# Allegro board MotorDriver.brd
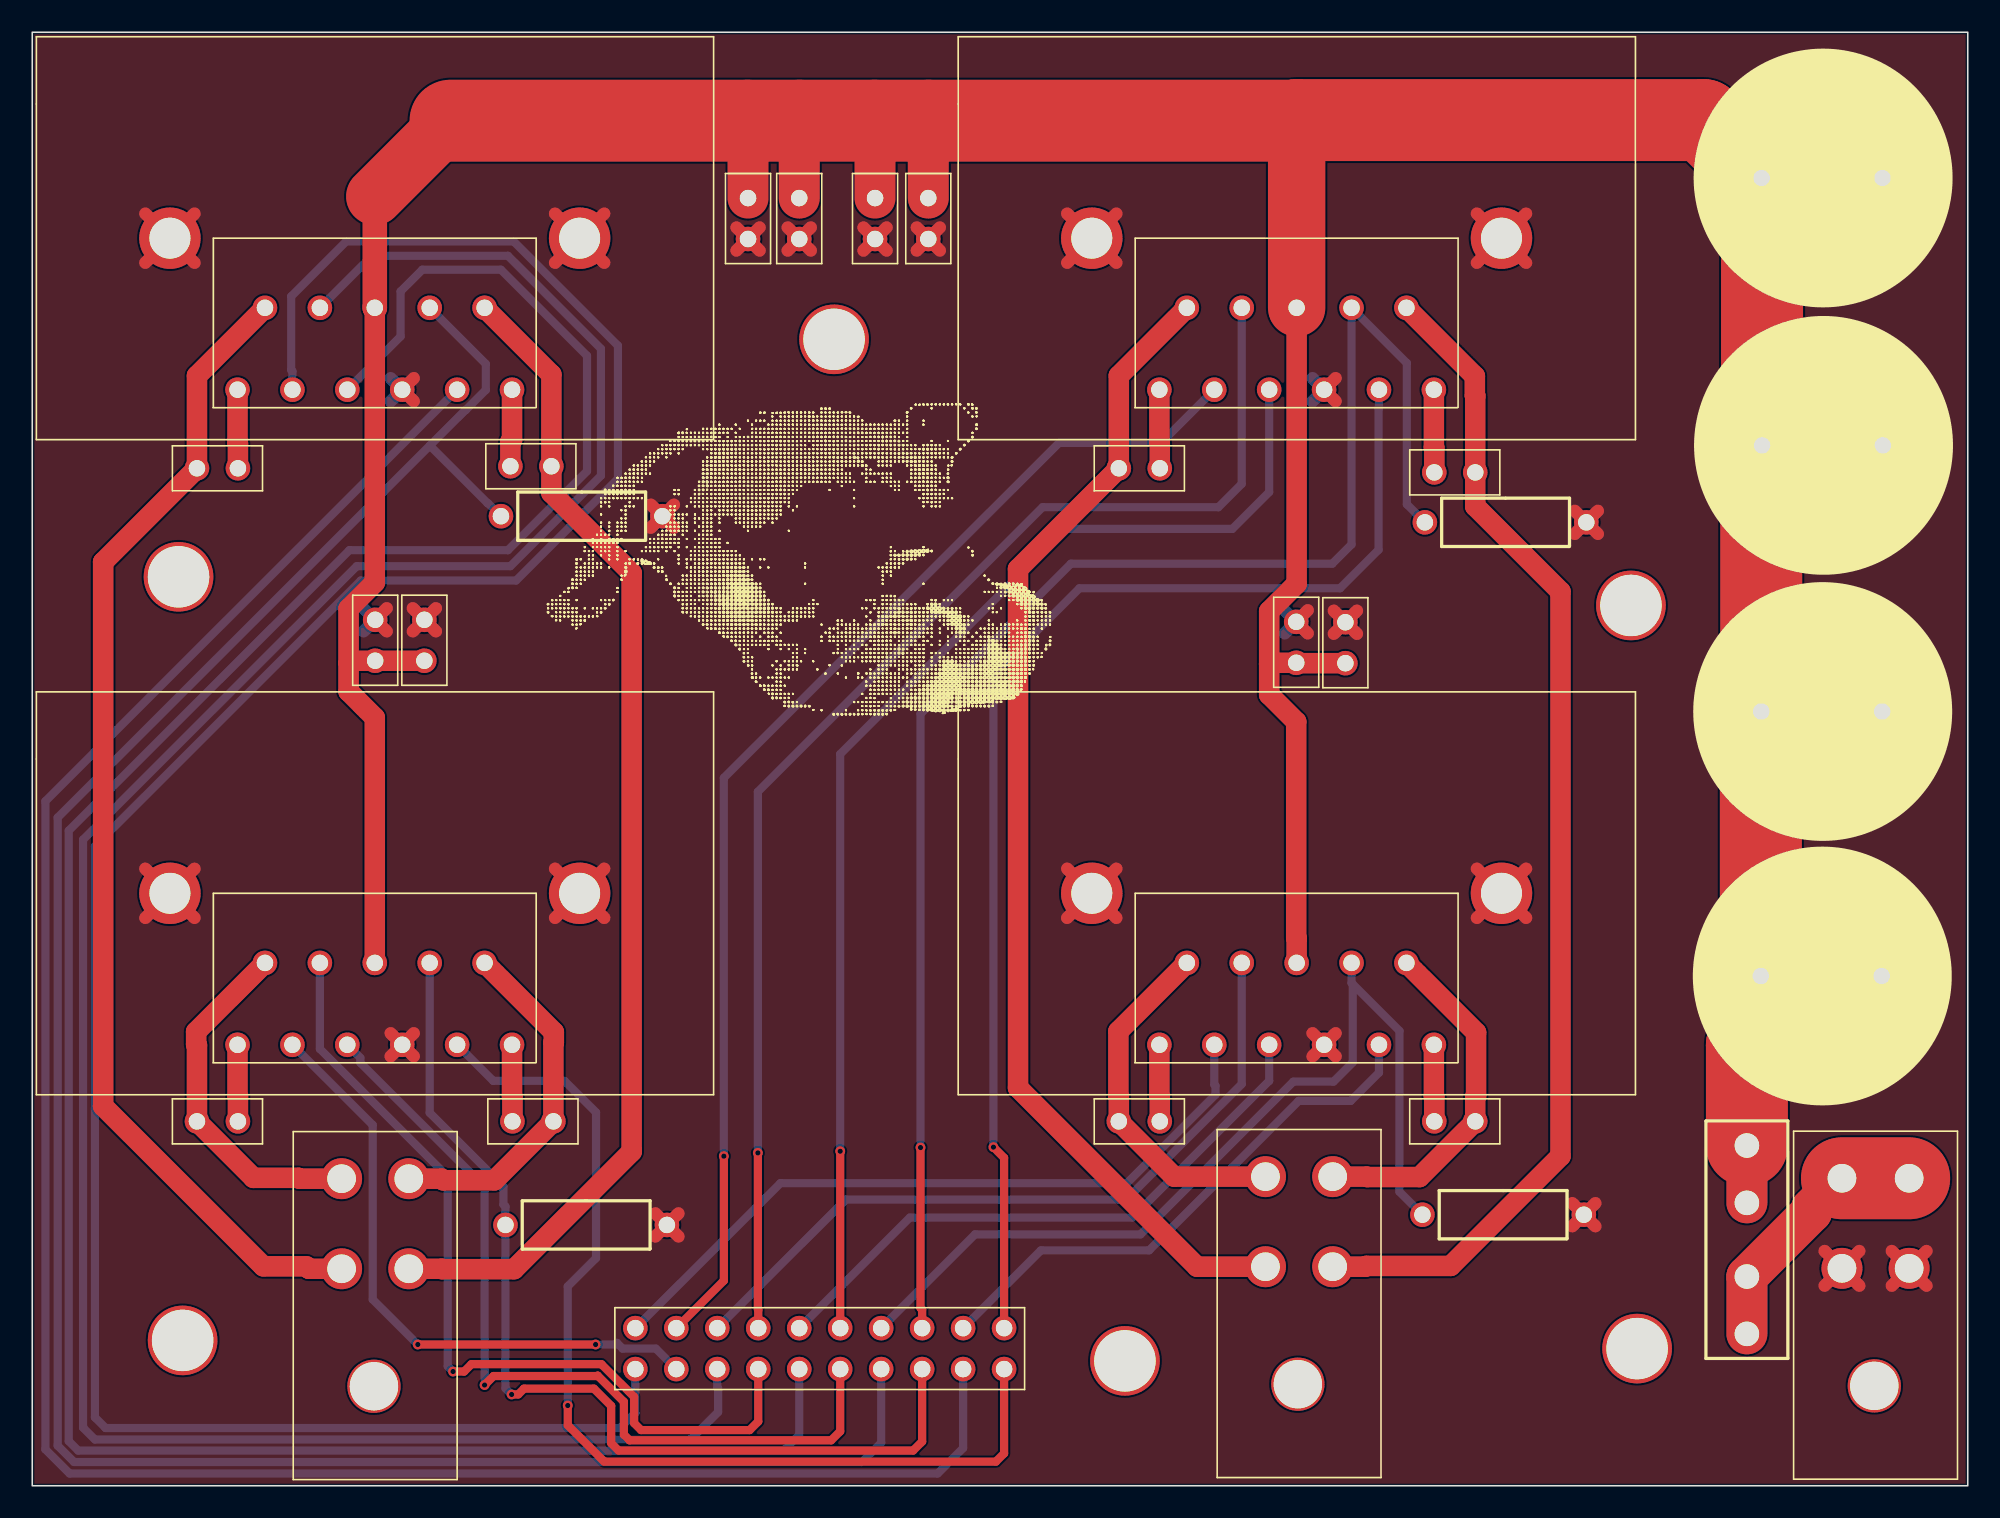
[diagram p0: board, top side]
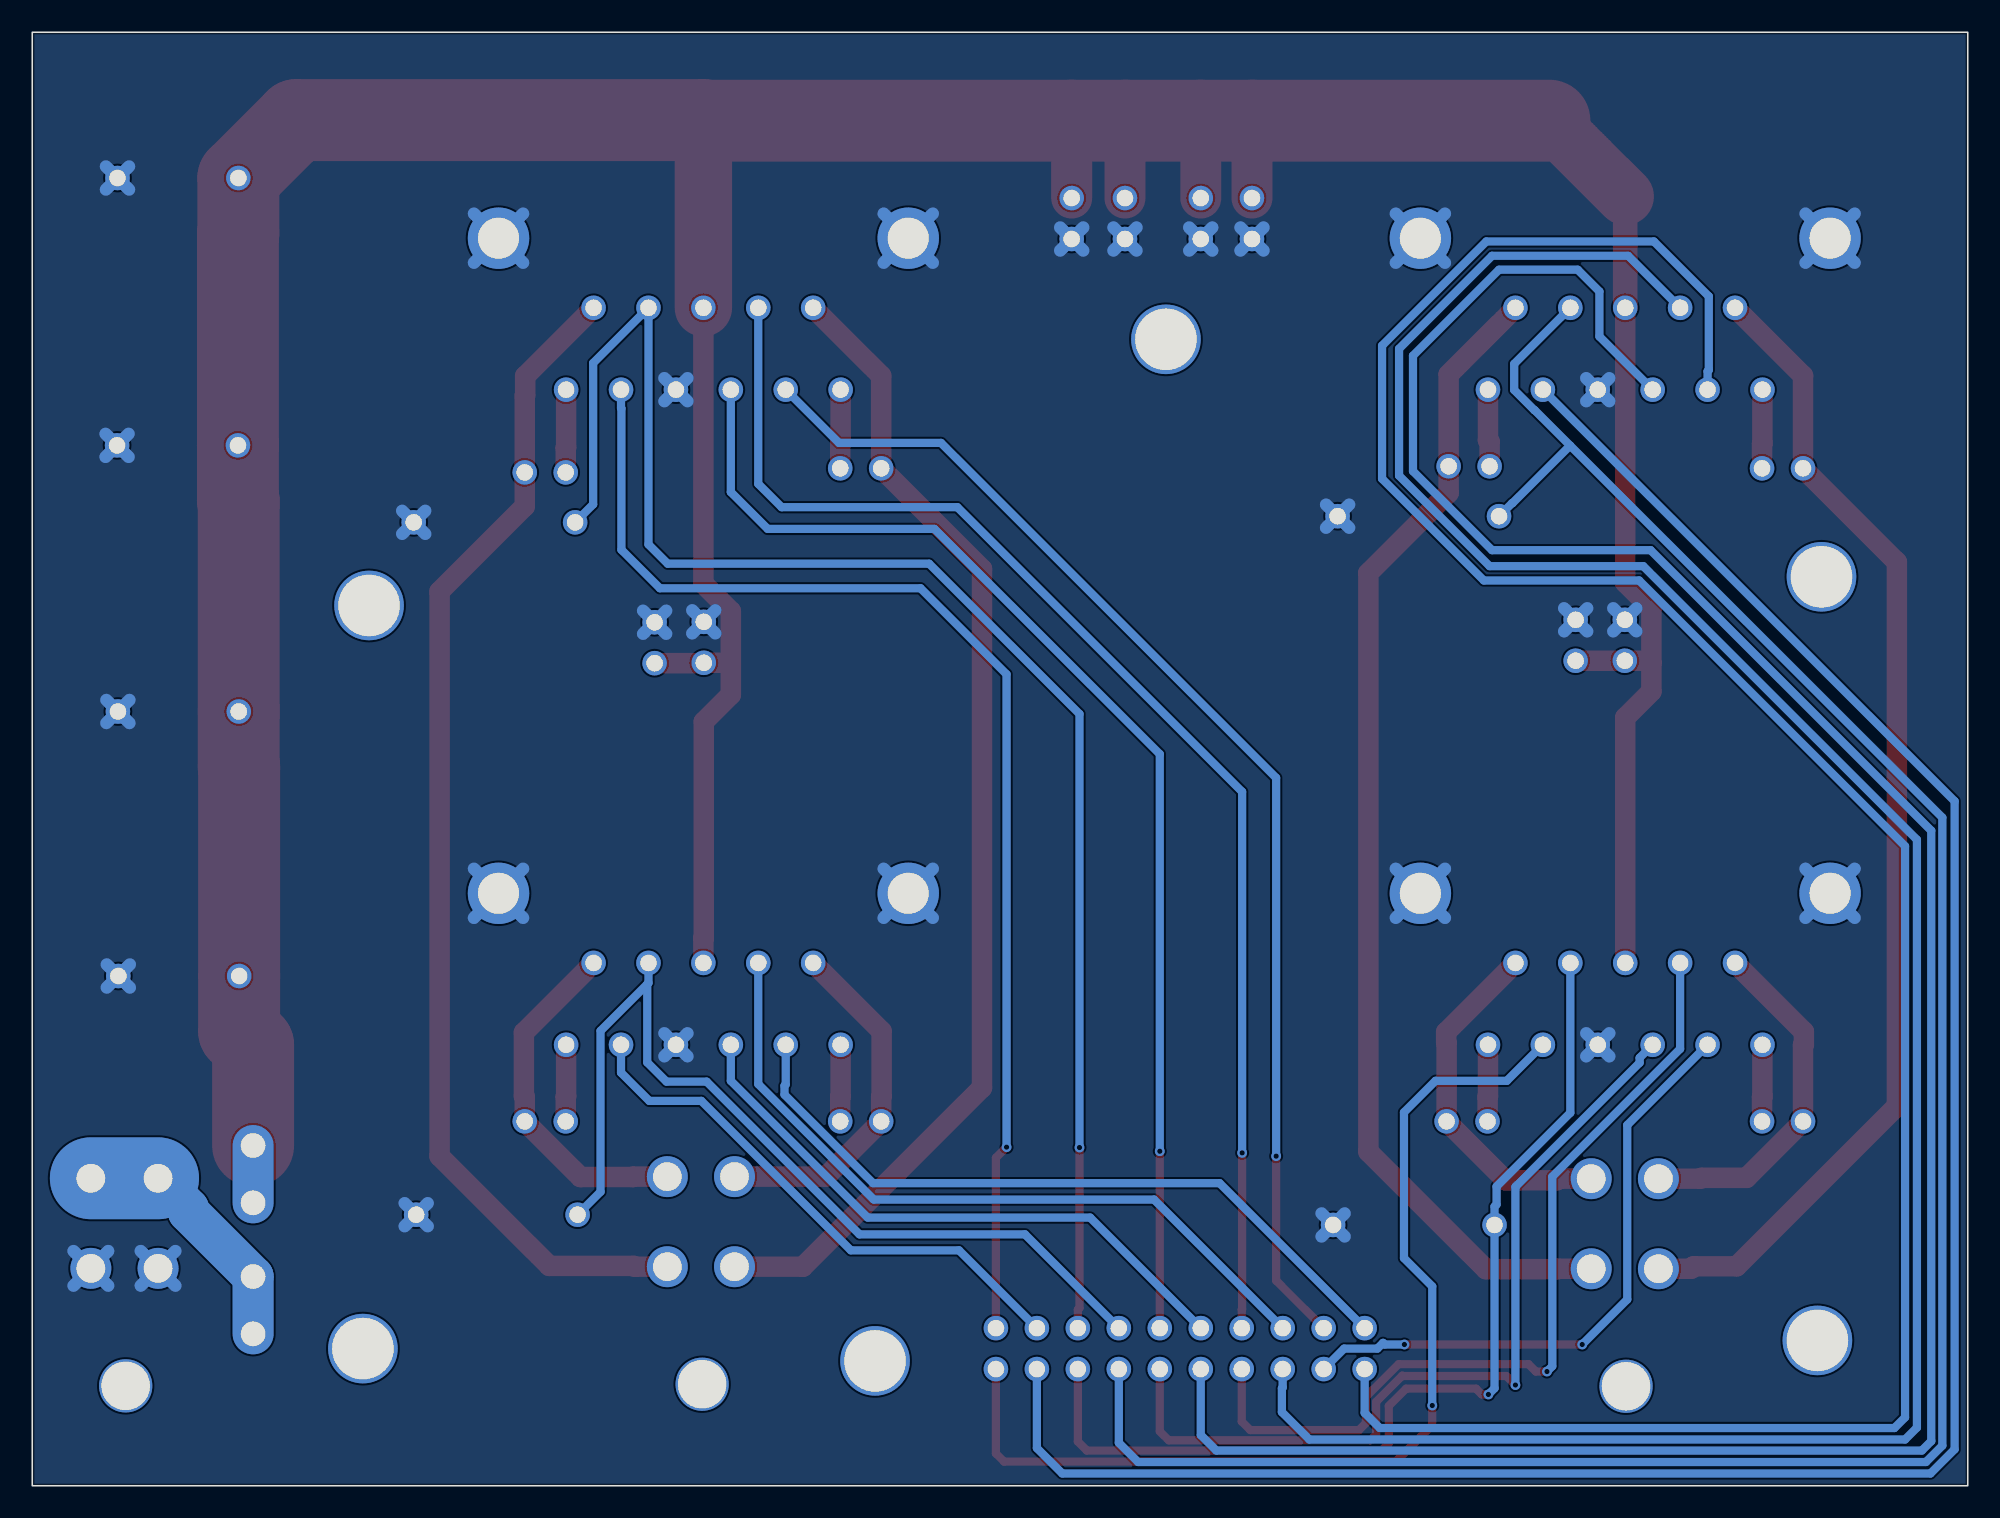
[diagram p1: board, bottom side, seen from below]

Outline 119.99 x 90.17 mm; copper layers: TOP, BOTTOM. Coordinates in mm from the lower left corner of the outline.
Outline path: rectangle 0,0 119.99,90.17

## Design rules (mm)
constraint set DEFAULT: min track width 0.254

## Placement (name value [footprint] x y rotation side)
C1  10n  [SIP2]  89.46 62.87 270 top
C2  10n  [SIP2]  69.9 63.12 270 top
C3  100n  [SIP2]  52.25 79.88 0 top
C4  1u  [SIP2]  55.55 79.88 0 top
C6  100n  [SIP2]  81.41 51.03 180 top
C7  1u  [SIP2]  78.36 51.05 180 top
C8  470m  [LARGECAP]  107.19 48.03 0 top
C9  10n  [SIP2]  12.75 22.61 270 top
C10  10n  [SIP2]  32.31 22.61 270 top
C11  100n  [SIP2]  24.31 51.18 180 top
C12  1u  [SIP2]  21.26 51.18 180 top
C13  470m  [LARGECAP]  107.21 81.13 0 top
C14  10n  [SIP2]  12.75 63.12 270 top
C15  10n  [SIP2]  32.18 63.25 270 top
C16  100n  [SIP2]  47.55 79.88 0 top
C17  1u  [SIP2]  44.37 79.88 0 top
C18  470m  [LARGECAP]  107.16 31.62 0 top
C19  10n  [SIP2]  69.9 22.61 270 top
C20  10n  [SIP2]  89.46 22.61 270 top
C21  470m  [LARGECAP]  107.24 64.54 0 top
CONNECTOR1  2x2HighCurrentConnector  [4PINMOLEX]  114.27 11.2 270 top
CONNECTOR2  2x2HighCurrentConnector  [4PINMOLEX]  78.54 11.3 270 top
CONNECTOR3  2x2HighCurrentConnector  [4PINMOLEX]  21.26 11.18 270 top
CONNECTOR4  2x10Pin  [DIP2X10]  48.82 8.51 90 top
DRIVER1  -  [LMD18200T]  34.59 32.39 180 top
DRIVER2  -  [LMD18200T]  91.74 73.03 180 top
DRIVER3  -  [LMD18200T]  34.59 73.03 180 top
DRIVER4  -  [LMD18200T]  91.74 32.39 180 top
NOREF  -  [unnamed]  9.07 56.39 0 top
NOREF#2  -  [unnamed]  9.32 9.02 0 top
NOREF#3  -  [unnamed]  99.49 8.51 0 top
NOREF#4  -  [unnamed]  49.71 71.12 0 top
NOREF#5  -  [unnamed]  99.11 54.61 0 top
NOREF#6  -  [unnamed]  67.74 7.75 0 top
NOREF#7  -  [#2]  50.34 56.52 0 top
R1  2.2k  [1CMRESISTOR]  86.33 59.77 0 top
R2  2.2k  [1CMRESISTOR]  29.34 16.18 0 top
R3  2.2k  [1CMRESISTOR]  29.06 60.15 0 top
R4  2.2k  [1CMRESISTOR]  86.18 16.81 0 top
U1  AutoFuse  [BLADEFUSE]  106.3 9.42 0 top

## Library data of the parts
C1-C4 C6-C21 = C
CONNECTOR1-CONNECTOR3 = 2x2HighCurrentConnector
CONNECTOR4 = 2x10Pin
DRIVER1-DRIVER4 = LMD18200T
R1-R4 = R
U1 = AutoFuse

## Footprints (pads in the part's own frame, mm; a bottom-side part is the same pattern mirrored in y, then rotated)
1CMRESISTOR
  round 1.524 hole 1.02: 1(0,0) 2(10.008,0)
4PINMOLEX
  round 3.302 hole 2.997: (5.004,-0.076)
  round 2.54 hole 1.778: 1(-7.874,2.083) 2(-7.874,-2.083) 3(-2.286,-2.083) 4(-2.286,2.083)
BLADEFUSE
  round 2.286 hole 1.524: 1(0,0) 2(0,3.556) 3(0,8.128) 4(0,11.684)
DIP2X10
  round 1.524 hole 1.02: 1(-1.27,11.43) 2(-1.27,8.89) 3(-1.27,6.35) 4(-1.27,3.81) 5(-1.27,1.27) 6(-1.27,-1.27) 7(-1.27,-3.81) 8(-1.27,-6.35) 9(-1.27,-8.89) 10(-1.27,-11.43) 11(1.27,-11.43) 12(1.27,-8.89) 13(1.27,-6.35) 14(1.27,-3.81) 15(1.27,-1.27) 16(1.27,1.27) 17(1.27,3.81) 18(1.27,6.35) 19(1.27,8.89) 20(1.27,11.43)
LARGECAP
  round 1.524 hole 1.02: 1(0,0) 2(7.493,0)
LMD18200T
  round 1.524 hole 1.02: 1(21.869,5.029) 2(20.168,-0.051) 3(18.466,5.029) 4(16.764,-0.051) 5(15.062,5.029) 6(13.36,-0.051) 7(11.659,5.029) 8(9.957,-0.051) 9(8.255,5.029) 10(6.553,-0.051) 11(4.851,5.029)
  round 3.81 hole 2.54: 12(26.06,-4.369) 13(0.66,-4.369)
SIP2
  round 1.524 hole 1.02: 1(0,0) 2(0,-2.54)
unnamed
  round 4.318 hole 3.81: (0,0)

## Nets
GND: C3.2 C4.2 C6.2 C7.2 C8.2 C11.2 C12.2 C13.2 C16.2 C17.2 C18.2 C21.2 CONNECTOR1.3 CONNECTOR1.4 DRIVER1.7 DRIVER1.12 DRIVER1.13 DRIVER2.7 DRIVER2.12 DRIVER2.13 DRIVER3.7 DRIVER3.12 DRIVER3.13 DRIVER4.7 DRIVER4.12 DRIVER4.13 R1.2 R2.2 R3.2 R4.2
N00626: C2.1 DRIVER2.1
N00630: C1.2 DRIVER2.11
N00634: C1.1 CONNECTOR2.4 DRIVER2.10
N00648: C2.2 CONNECTOR2.3 DRIVER2.2
N00678: C3.1 C4.1 C6.1 C7.1 C8.1 C11.1 C12.1 C13.1 C16.1 C17.1 C18.1 C21.1 DRIVER1.6(VCC) DRIVER2.6(VCC) DRIVER3.6(VCC) DRIVER4.6(VCC) U1.3(PROTECTED2) U1.4
N00700: CONNECTOR1.1 CONNECTOR1.2 U1.1 U1.2
N00826: CONNECTOR4.13 DRIVER2.8 R1.1
N01112: CONNECTOR4.11 DRIVER2.9
N01181: CONNECTOR4.15 DRIVER2.5
N01193: CONNECTOR4.17 DRIVER2.4
N01205: CONNECTOR4.19 DRIVER2.3
N01609: C9.1 DRIVER1.1
N01613: C10.2 DRIVER1.11
N01779: C9.2 CONNECTOR3.2 DRIVER1.2
N01786: C10.1 CONNECTOR3.1 DRIVER1.10
N01793: CONNECTOR4.10 DRIVER1.9
N01805: CONNECTOR4.8 DRIVER1.8 R2.1
N01926: CONNECTOR4.6 DRIVER1.5
N01938: CONNECTOR4.4 DRIVER1.4
N01950: CONNECTOR4.2 DRIVER1.3
N03882: CONNECTOR4.7 DRIVER3.8 R3.1
N03889: C14.1 DRIVER3.1
N03893: C15.2 DRIVER3.11
N03897: C14.2 CONNECTOR3.3 DRIVER3.2
N03904: C15.1 CONNECTOR3.4 DRIVER3.10
N03971: CONNECTOR4.9 DRIVER3.9
N04001: CONNECTOR4.5 DRIVER3.5
N04013: CONNECTOR4.3 DRIVER3.4
N04025: CONNECTOR4.1 DRIVER3.3
N04037: C19.1 DRIVER4.1
N04041: C20.2 DRIVER4.11
N04045: C20.1 CONNECTOR2.1 DRIVER4.10
N04052: C19.2 CONNECTOR2.2 DRIVER4.2
N04186: CONNECTOR4.14 DRIVER4.8 R4.1
N04319: CONNECTOR4.12 DRIVER4.9
N04365: CONNECTOR4.16 DRIVER4.5
N04390: CONNECTOR4.18 DRIVER4.4
N04415: CONNECTOR4.20 DRIVER4.3

## Via types
v1: diameter 0.61, hole 0.33, TOP to BOTTOM, 11 vias

## Routing (per net, layer and track width the routed paths; a pad name or vN(x,y) marks a point on that pad's centre or on a via; arc(x,y) is an arc through that point)
GND: length 316.1
  TOP w0.762: DRIVER3.13 35.46,78.92 ; DRIVER3.13 32.41,75.87 ; DRIVER3.13 32.41,78.92 ; DRIVER3.13 35.46,75.87 ; DRIVER1.7 23.65,28.07 ; DRIVER1.7 23.65,26.64 ; DRIVER1.7 22.22,26.64 ; DRIVER1.7 22.22,28.07 ; 113.94,32.34 C18.2 ; C18.2 113.94,30.91 ; C18.2 115.37,32.34 ; C18.2 115.37,30.91 ; 89.56,38.28 DRIVER4.13 ; DRIVER4.13 92.61,35.23 ; DRIVER4.13 89.56,35.23 ; DRIVER4.13 92.61,38.28 ; C13.2 115.42,80.41 ; C13.2 113.99,81.84 ; C13.2 113.99,80.41 ; C13.2 115.42,81.84 ; C11.2 25.02,54.44 ; C11.2 23.59,53.01 ; C11.2 23.59,54.44 ; C11.2 25.02,53.01 ; CONNECTOR1.3 113.27,14.56 ; CONNECTOR1.3 113.27,12.41 ; CONNECTOR1.3 111.12,12.41 ; CONNECTOR1.3 111.12,14.56 ; 114.02,65.26 C21.2 ; C21.2 114.02,63.83 ; C21.2 115.45,65.26 ; C21.2 115.45,63.83 ; 64.16,78.92 DRIVER2.12 ; DRIVER2.12 67.21,78.92 ; DRIVER2.12 67.21,75.87 ; DRIVER2.12 64.16,75.87 ; R4.2 96.91,17.53 ; R4.2 95.47,16.1 ; R4.2 95.47,17.53 ; R4.2 96.91,16.1 ; 32.41,38.28 DRIVER1.13 ; DRIVER1.13 35.46,35.23 ; DRIVER1.13 35.46,38.28 ; DRIVER1.13 32.41,35.23 ; R3.2 39.78,59.43 ; R3.2 38.35,59.43 ; R3.2 38.35,60.86 ; R3.2 39.78,60.86 ; C8.2 115.4,47.32 ; C8.2 113.97,47.32 ; C8.2 115.4,48.75 ; C8.2 113.97,48.75 ; DRIVER2.13 92.61,78.92 ; DRIVER2.13 92.61,75.87 ; DRIVER2.13 89.56,75.87 ; DRIVER2.13 89.56,78.92 ; 46.83,78.06 C16.2 ; C16.2 46.83,76.63 ; C16.2 48.26,76.63 ; C16.2 48.26,78.06 ; 54.83,76.63 C4.2 ; C4.2 56.27,78.06 ; C4.2 56.27,76.63 ; C4.2 54.83,78.06 ; 51.53,78.06 C3.2 ; C3.2 52.96,78.06 ; C3.2 51.53,76.63 ; C3.2 52.96,76.63 ; CONNECTOR1.4 117.43,14.56 ; CONNECTOR1.4 115.28,12.41 ; CONNECTOR1.4 117.43,12.41 ; CONNECTOR1.4 115.28,14.56 ; C6.2 82.12,52.85 ; C6.2 80.69,54.28 ; C6.2 80.69,52.85 ; C6.2 82.12,54.28 ; 43.66,76.63 C17.2 ; C17.2 45.09,78.06 ; C17.2 43.66,78.06 ; C17.2 45.09,76.63 ; 21.98,53.01 C12.2 21.98,54.44 ; 7.01,75.87 DRIVER3.12 ; DRIVER3.12 7.01,78.92 ; DRIVER3.12 10.06,78.92 ; DRIVER3.12 10.06,75.87 ; 80.8,68.71 DRIVER2.7 80.8,67.28 ; DRIVER4.7 80.8,28.07 ; DRIVER4.7 79.37,28.07 ; DRIVER4.7 80.8,26.64 ; DRIVER4.7 79.37,26.64 ; 23.65,68.71 DRIVER3.7 23.65,67.28 ; R2.2 40.06,16.9 ; R2.2 40.06,15.46 ; R2.2 38.63,16.9 ; R2.2 38.63,15.46 ; 7.01,38.28 DRIVER1.12 ; DRIVER1.12 10.06,35.23 ; DRIVER1.12 10.06,38.28 ; DRIVER1.12 7.01,35.23 ; 95.63,59.05 R1.2 ; R1.2 97.06,60.48 ; R1.2 95.63,60.48 ; R1.2 97.06,59.05 ; DRIVER4.12 67.21,38.28 ; DRIVER4.12 67.21,35.23 ; DRIVER4.12 64.16,38.28 ; DRIVER4.12 64.16,35.23 ; 79.07,52.88 C7.2 79.07,54.31
  BOTTOM w0.762: 115.28,12.41 CONNECTOR1.4 ; CONNECTOR1.4 117.43,14.56 ; CONNECTOR1.4 117.43,12.41 ; CONNECTOR1.4 115.28,14.56 ; C3.2 52.96,76.63 ; C3.2 52.96,78.06 ; C3.2 51.53,78.06 ; C3.2 51.53,76.63 ; C17.2 45.09,76.63 ; C17.2 45.09,78.06 ; C17.2 43.66,76.63 ; C17.2 43.66,78.06 ; 64.16,38.28 DRIVER4.12 ; DRIVER4.12 64.16,35.23 ; DRIVER4.12 67.21,35.23 ; DRIVER4.12 67.21,38.28 ; DRIVER2.7 80.8,68.71 ; DRIVER2.7 79.37,68.71 ; DRIVER2.7 80.8,67.28 ; DRIVER2.7 79.37,67.28 ; 54.83,78.06 C4.2 ; C4.2 56.27,76.63 ; C4.2 54.83,76.63 ; C4.2 56.27,78.06 ; DRIVER2.12 67.21,75.87 ; DRIVER2.12 67.21,78.92 ; DRIVER2.12 64.16,75.87 ; DRIVER2.12 64.16,78.92 ; 7.01,75.87 DRIVER3.12 ; DRIVER3.12 7.01,78.92 ; DRIVER3.12 10.06,75.87 ; DRIVER3.12 10.06,78.92 ; 111.12,14.56 CONNECTOR1.3 ; CONNECTOR1.3 113.27,14.56 ; CONNECTOR1.3 111.12,12.41 ; CONNECTOR1.3 113.27,12.41 ; C18.2 115.37,32.34 ; C18.2 113.94,30.91 ; C18.2 115.37,30.91 ; C18.2 113.94,32.34 ; 20.54,53.01 C12.2 ; C12.2 20.54,54.44 ; C12.2 21.98,53.01 ; C12.2 21.98,54.44 ; 23.59,54.44 C11.2 ; C11.2 23.59,53.01 ; C11.2 25.02,53.01 ; C11.2 25.02,54.44 ; 113.99,80.41 C13.2 ; C13.2 115.42,80.41 ; C13.2 115.42,81.84 ; C13.2 113.99,81.84 ; 22.22,26.64 DRIVER1.7 ; DRIVER1.7 23.65,28.07 ; DRIVER1.7 23.65,26.64 ; DRIVER1.7 22.22,28.07 ; 79.37,26.64 DRIVER4.7 ; DRIVER4.7 80.8,28.07 ; DRIVER4.7 79.37,28.07 ; DRIVER4.7 80.8,26.64 ; C6.2 82.12,52.85 ; C6.2 80.69,52.85 ; C6.2 80.69,54.28 ; C6.2 82.12,54.28 ; 95.47,17.53 R4.2 ; R4.2 96.91,16.1 ; R4.2 95.47,16.1 ; R4.2 96.91,17.53 ; C21.2 115.45,65.26 ; C21.2 114.02,63.83 ; C21.2 115.45,63.83 ; C21.2 114.02,65.26 ; 32.41,35.23 DRIVER1.13 ; DRIVER1.13 35.46,35.23 ; DRIVER1.13 32.41,38.28 ; DRIVER1.13 35.46,38.28 ; DRIVER1.12 10.06,35.23 ; DRIVER1.12 10.06,38.28 ; DRIVER1.12 7.01,35.23 ; DRIVER1.12 7.01,38.28 ; R3.2 39.78,59.43 ; R3.2 38.35,60.86 ; R3.2 38.35,59.43 ; R3.2 39.78,60.86 ; C8.2 115.4,47.32 ; C8.2 115.4,48.75 ; C8.2 113.97,47.32 ; C8.2 113.97,48.75 ; R1.2 97.06,59.05 ; R1.2 97.06,60.48 ; R1.2 95.63,59.05 ; R1.2 95.63,60.48 ; R2.2 40.06,16.9 ; R2.2 38.63,15.46 ; R2.2 40.06,15.46 ; R2.2 38.63,16.9 ; 32.41,78.92 DRIVER3.13 ; DRIVER3.13 32.41,75.87 ; DRIVER3.13 35.46,75.87 ; DRIVER3.13 35.46,78.92 ; C16.2 48.26,76.63 ; C16.2 46.83,78.06 ; C16.2 48.26,78.06 ; C16.2 46.83,76.63 ; 77.64,52.88 C7.2 ; C7.2 79.07,52.88 ; C7.2 79.07,54.31 ; C7.2 77.64,54.31 ; DRIVER2.13 92.61,78.92 ; DRIVER2.13 89.56,78.92 ; DRIVER2.13 92.61,75.87 ; DRIVER2.13 89.56,75.87 ; 22.22,67.28 DRIVER3.7 ; DRIVER3.7 22.22,68.71 ; DRIVER3.7 23.65,68.71 ; DRIVER3.7 23.65,67.28 ; 89.56,35.23 DRIVER4.13 ; DRIVER4.13 89.56,38.28 ; DRIVER4.13 92.61,38.28 ; DRIVER4.13 92.61,35.23
N00626: length 4.9
  TOP w1.27: C2.1 69.9,64.64 69.88,64.67 DRIVER2.1
N00630: length 5.1
  TOP w1.27: DRIVER2.11 86.89,64.41 86.92,64.39 C1.2
N00634: length 73.5
  TOP w1.27: CONNECTOR2.4 82.65,13.59 82.7,13.64 87.93,13.64 94.74,20.45 94.74,55.47 89.46,60.76 C1.1 89.46,67.61 89.43,67.64 89.43,68.83 DRIVER2.10
N00648: length 72.7
  TOP w1.27: CONNECTOR2.3 72.21,13.59 61.11,24.69 61.11,56.87 C2.2 67.36,68.86 DRIVER2.2
N00678: length 288.3
  TOP w1.27: DRIVER3.6 21.23,56.03 19.61,54.41 19.61,51.05 ; 19.61,51.05 19.61,49.28 21.23,47.65 DRIVER1.6 ; 19.61,51.05 19.74,51.18 C12.1 C11.1 ; 76.68,50.98 76.68,49.07 78.36,47.4 78.36,33.99 78.38,33.96 DRIVER4.6 ; 76.68,50.98 76.76,51.05 C7.1 78.38,51.03 C6.1 ; 76.68,50.98 76.68,54.25 78.38,55.95 DRIVER2.6
  TOP w1.524: DRIVER3.6 21.23,79.98
  TOP w2.54: 47.57,84.68 47.55,84.66 C16.1 ; 44.35,84.68 44.37,84.66 C17.1 ; U1.3 U1.4 ; 52.22,84.68 52.25,84.66 C3.1 ; C4.1 55.55,84.68
  TOP w3.556: 21.23,79.98 25.93,84.68 ; 78.36,84.68 78.38,84.66 DRIVER2.6
  TOP w5.08: 25.93,84.68 78.36,84.68 78.4,84.72 103.62,84.72 C13.1 107.21,77.7 107.24,77.67 C21.1 107.24,61.11 107.19,61.06 C8.1 107.19,44.6 107.16,44.58 C18.1 107.16,28.19 106.3,27.33 U1.4
  BOTTOM w2.54: U1.3 U1.4
N00700: length 32.5
  TOP w2.54: CONNECTOR1.2 110.31,17.19 110.31,16.99 U1.2 U1.1
  TOP w5.08: CONNECTOR1.1 CONNECTOR1.2
  BOTTOM w2.54: CONNECTOR1.2 110.31,17.19 110.31,16.99 U1.2 U1.1
  BOTTOM w5.08: CONNECTOR1.1 CONNECTOR1.2
N00826: length 99.1
  TOP w0.508: v1(55.07,20.98) 55.07,11.02 55.17,10.92 CONNECTOR4.13
  BOTTOM w0.508: R1.1 85.22,60.88 85.22,69.65 DRIVER2.8 81.79,58.39 80.59,57.2 64.39,57.2 55.07,47.88 v1(55.07,20.98)
N01112: length 77.9
  TOP w0.508: v1(59.59,21.01) 60.25,20.35 CONNECTOR4.11
  BOTTOM w0.508: 83.49,68 83.49,66.85 83.46,66.83 83.46,58.06 81.08,55.68 64.92,55.68 59.59,50.34 v1(59.59,21.01)
N01181: length 75.3
  TOP w0.508: CONNECTOR4.15 v1(50.09,20.75)
  BOTTOM w0.508: DRIVER2.5 76.68,61.65 74.4,59.36 64.06,59.36 50.09,45.39 v1(50.09,20.75)
N01193: length 82.1
  TOP w0.508: CONNECTOR4.17 45.01,10.92 44.98,10.95 v1(44.98,20.65)
  BOTTOM w0.508: v1(44.98,20.65) 44.98,43.05 62.64,60.71 73.53,60.71 74.98,62.15 DRIVER2.4
N01205: length 75.7
  TOP w0.508: CONNECTOR4.19 42.88,12.73 v1(42.88,20.45)
  BOTTOM w0.508: v1(42.88,20.45) 42.88,43.92 63.65,64.69 69.98,64.69 DRIVER2.3
N01609: length 4.8
  TOP w1.27: DRIVER1.1 12.73,24.16 12.75,24.13 C9.1
N01613: length 4.8
  TOP w1.27: C10.2 29.77,24.13 29.74,24.16 DRIVER1.11
N01779: length 22.1
  TOP w1.27: DRIVER1.2 10.16,28.17 10.16,27.38 10.21,27.33 C9.2 13.72,19.1 16.51,19.1 16.56,19.05 CONNECTOR3.2
N01786: length 22.1
  TOP w1.27: DRIVER1.10 32.33,28.14 32.33,27.51 32.31,27.48 C10.1 28.65,18.95 25.48,18.95 25.37,19.05 CONNECTOR3.1
N01793: length 63.9
  TOP w0.508: CONNECTOR4.10 60.25,2.01 59.74,1.5 35.46,1.5 33.2,3.76 v1(33.2,4.98)
  BOTTOM w0.508: v1(33.2,4.98) 33.2,12.37 34.95,14.12 34.95,23.16 32.99,25.12 28.57,25.12 DRIVER1.9
N01805: length 62.1
  TOP w0.508: v1(29.72,5.66) 30.12,5.66 30.48,6.02 34.82,6.02 35.89,4.95 35.89,2.64 36.35,2.18 54.61,2.18 55.17,2.74 CONNECTOR4.8
  BOTTOM w0.508: DRIVER1.8 24.64,23.14 29.21,18.57 29.21,17.45 29.34,17.32 R2.1 29.34,6.05 v1(29.72,5.66)
N01926: length 53.9
  TOP w0.508: v1(28.04,6.25) 28.6,6.81 35.03,6.81 35.05,6.83 36.68,5.21 36.68,3.18 37.03,2.82 49.53,2.82 50.09,3.38 CONNECTOR4.6
  BOTTOM w0.508: v1(28.04,6.25) 28.04,18.54 20.34,26.24 20.34,26.55 DRIVER1.5
N01938: length 54
  TOP w0.508: CONNECTOR4.4 45.01,3.99 44.48,3.45 37.74,3.45 37.31,3.89 37.31,5.51 35.28,7.54 27.23,7.54 26.77,7.09 v1(26.09,7.09)
  BOTTOM w0.508: DRIVER1.4 17.83,27.1 25.76,19.18 25.76,7.42 v1(26.09,7.09)
N01950: length 38.6
  TOP w0.508: v1(23.9,8.76) v1(34.92,8.76)
  BOTTOM w0.508: DRIVER1.3 21.11,22.38 21.11,11.56 v1(23.9,8.76) ; v1(34.92,8.76) 36.14,8.76 36.25,8.86 36.6,8.51 38.66,8.51 CONNECTOR4.2
N03882: length 145.8
  BOTTOM w0.508: DRIVER3.8 28.12,69.6 28.12,67.98 26.87,66.73 26.85,66.73 24.65,64.53 ; 24.65,64.53 1.57,41.45 1.57,2.49 2.59,1.47 51.44,1.47 52.63,2.67 CONNECTOR4.7 ; 24.65,64.53 28.22,60.96 28.25,60.96 R3.1
N03889: length 4.9
  TOP w1.27: DRIVER3.1 12.73,64.67 12.75,64.64 C14.1
N03893: length 4.8
  TOP w1.27: DRIVER3.11 29.74,64.87 29.64,64.77 C15.2
N03897: length 72.6
  TOP w1.27: DRIVER3.2 10.21,68.86 C14.2 4.39,57.3 4.39,23.55 14.33,13.61 16.99,13.61 17.14,13.46 19.18,13.46
N03904: length 73
  TOP w1.27: DRIVER3.10 32.18,68.94 C15.1 32.18,61.59 37.16,56.62 37.16,20.73 29.87,13.44 25.4,13.44 25.37,13.46 23.34,13.46
N03971: length 139.4
  BOTTOM w0.508: DRIVER3.9 0.81,42.47 0.81,2.26 2.31,0.76 56.13,0.76 57.71,2.34 CONNECTOR4.9
N04001: length 158.2
  BOTTOM w0.508: DRIVER3.5 22.83,71.3 22.83,74.09 24.18,75.44 29.06,75.44 34.39,70.1 34.39,62.94 29.49,58.04 19.66,58.04 2.26,40.64 2.26,2.77 2.84,2.18 46.58,2.18 47.55,3.15 CONNECTOR4.5
N04013: length 150
  BOTTOM w0.508: CONNECTOR4.3 42.47,6.1 42.52,6.05 42.52,4.57 40.82,2.87 3.89,2.87 3.15,3.61 3.15,40.08 20.12,57.05 29.64,57.05 35.26,62.66 35.26,70.54 29.49,76.3 21.06,76.3 DRIVER3.4
N04025: length 152.6
  BOTTOM w0.508: CONNECTOR4.1 37.39,4.52 36.45,3.58 4.55,3.58 3.89,4.24 3.89,39.67 20.37,56.16 30,56.16 36.31,62.47 36.31,70.73 29.84,77.19 19.46,77.19 16.05,73.79 16.05,69.22 16.13,69.14 DRIVER3.3
N04037: length 4.8
  TOP w1.27: DRIVER4.1 69.88,24.16 69.9,24.13 C19.1
N04041: length 4.8
  TOP w1.27: C20.2 86.92,24.13 86.89,24.16 DRIVER4.11
N04045: length 21.9
  TOP w1.27: DRIVER4.10 89.51,28.12 89.51,24.18 89.46,24.13 C20.1 86,19.15 82.75,19.15 82.73,19.18 CONNECTOR2.1
N04052: length 22.1
  TOP w1.27: DRIVER4.2 67.34,28.19 67.34,24.16 67.36,24.13 C19.2 70.79,19.18 CONNECTOR2.2
N04186: length 58.4
  BOTTOM w0.508: 81.86,31.12 81.79,31.19 DRIVER4.8 ; 81.86,31.12 84.76,28.22 84.76,18.24 R4.1 ; 81.86,31.12 81.86,26.26 80.67,25.07 78.18,25.07 68.71,15.6 58.45,15.6 CONNECTOR4.14
N04319: length 34.1
  BOTTOM w0.508: CONNECTOR4.12 62.53,14.61 69.24,14.61 78.51,23.88 81.74,23.88 83.49,25.63 83.49,27.36
N04365: length 37.7
  BOTTOM w0.508: CONNECTOR4.16 54.41,16.64 68.2,16.64 76.68,25.12 DRIVER4.5
N04390: length 46.3
  BOTTOM w0.508: CONNECTOR4.18 50.44,17.75 67.82,17.75 74.98,24.92 DRIVER4.4
N04415: length 45.1
  BOTTOM w0.508: DRIVER4.3 73.28,24.89 73.36,24.82 73.36,24.26 67.86,18.77 46.38,18.77 CONNECTOR4.20

## Copper pours and planes (outline as drawn; the poured copper is in the pictures)
GND on TOP, BOTTOM: 0.13,90.04 119.86,90.04 119.86,0.13 0.13,0.13
